# KiCad board SHVC-CPU-01.kicad_pcb (continued)
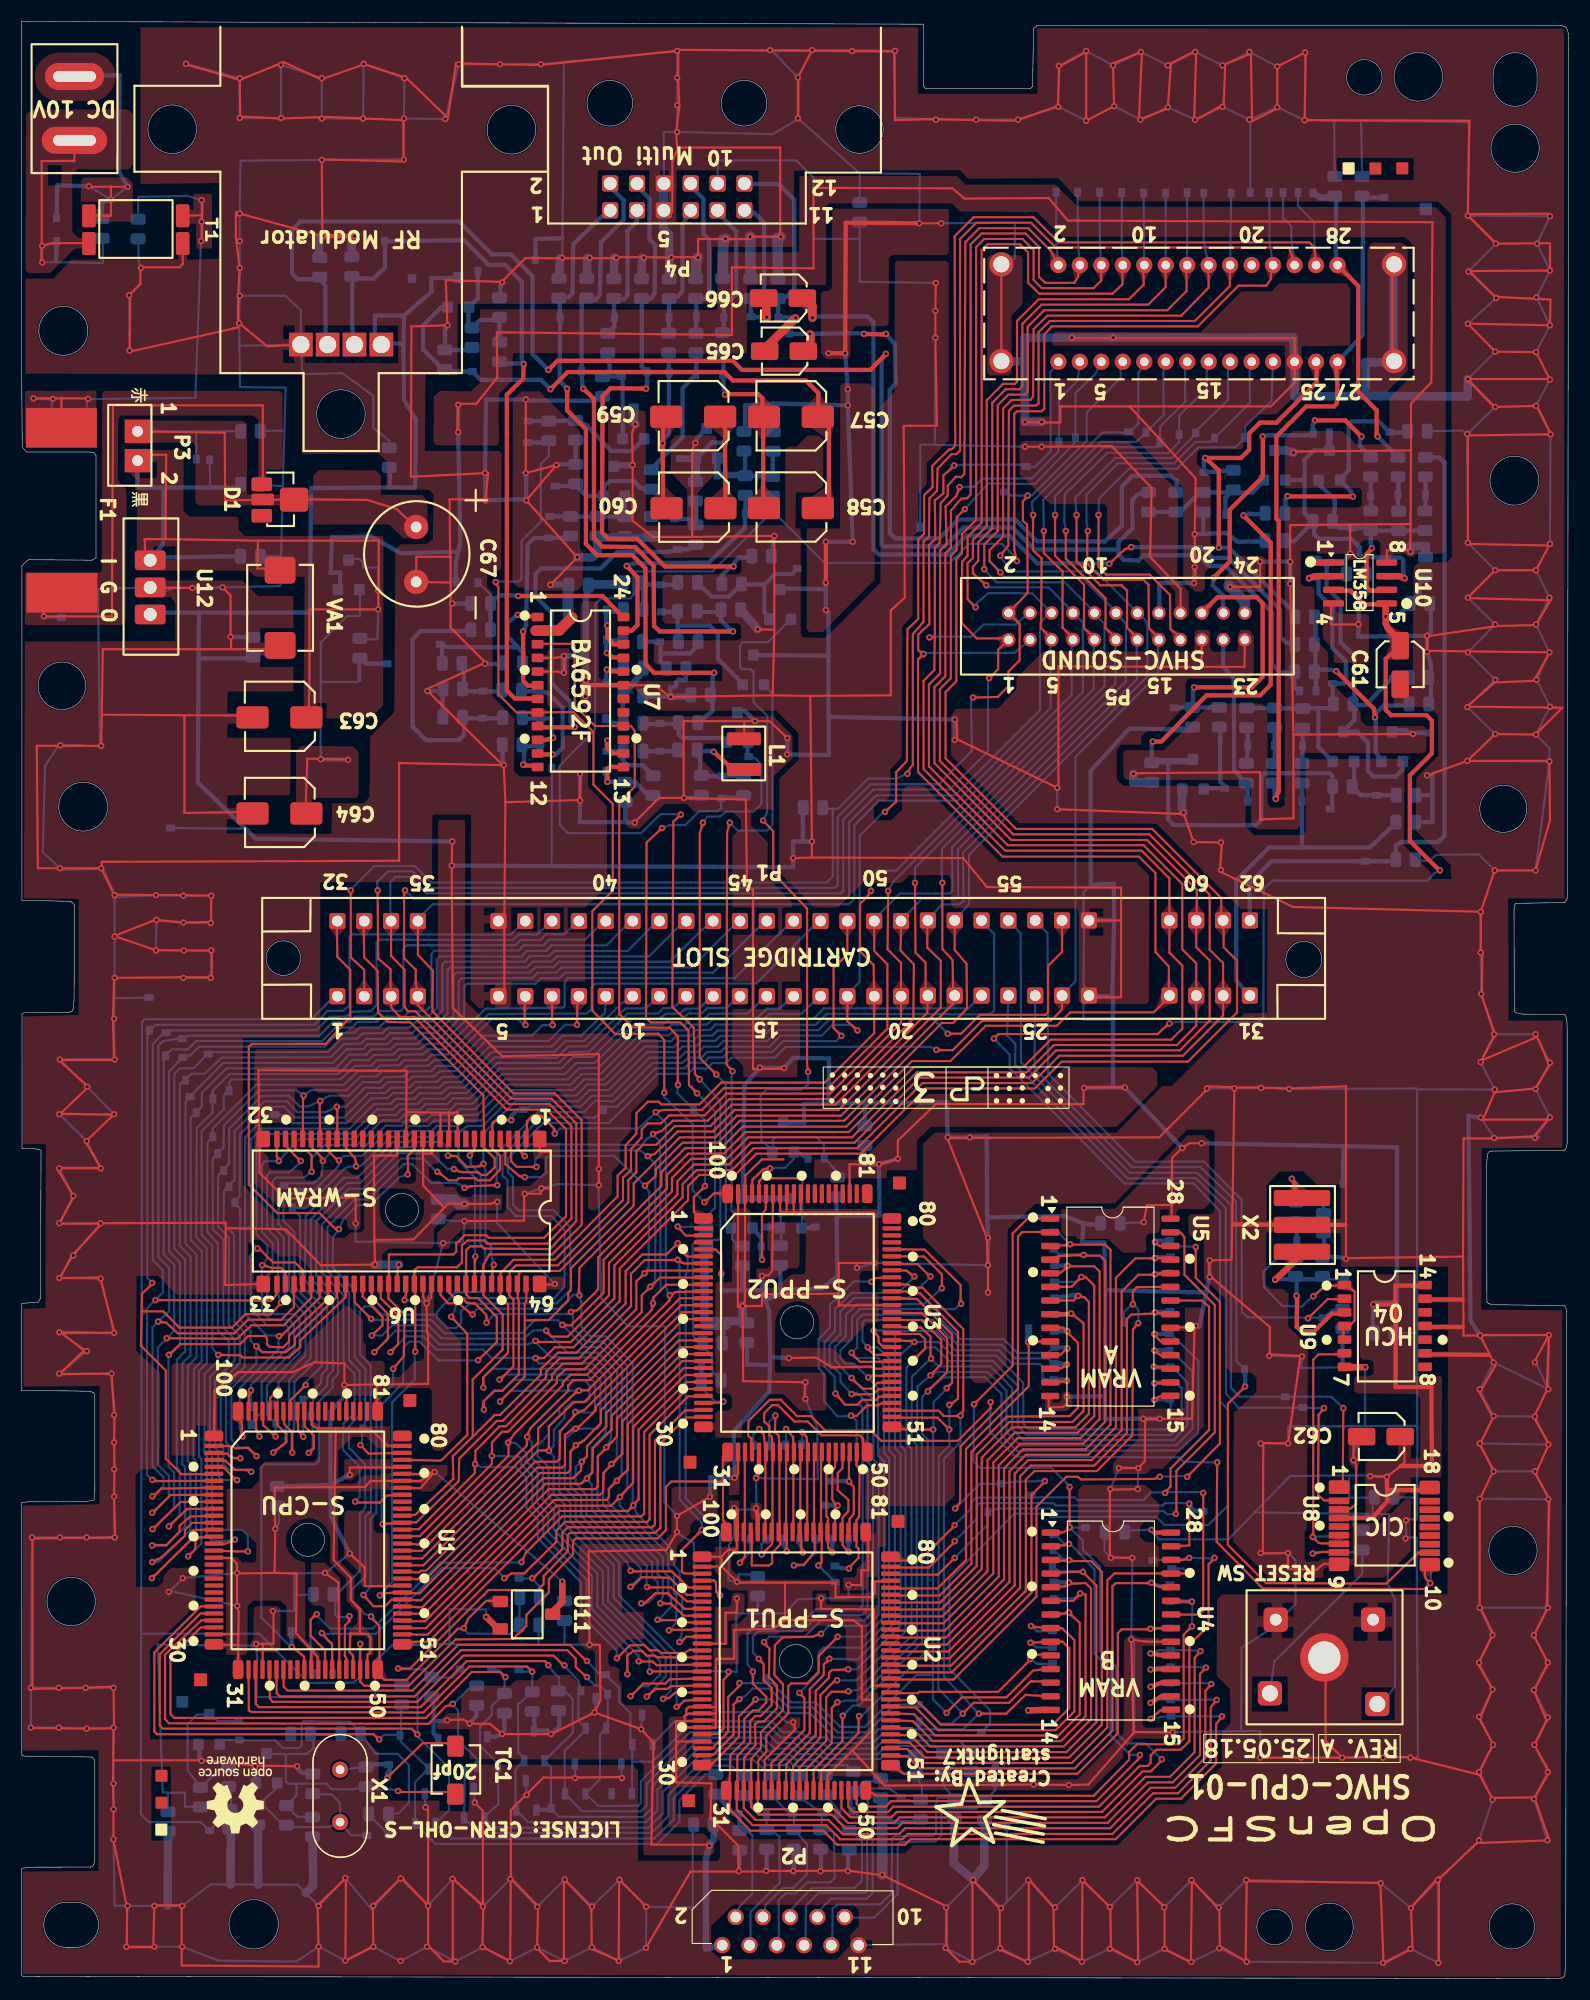
[diagram p0: board, top side]
## Routing (per net, layer and track width the routed paths; a pad name or vN(x,y) marks a point on that pad's centre or on a via; arc(x,y) is an arc through that point) (continued)
RESOUT: length 31.3
  Top w0.2: v1(47.58,37.26) 47.66,37.26 50.38,39.99 50.38,41.52 50.88,42.01 58.75,42.01 59.01,42.27 59.01,50.09 61.82,52.9 63.49,52.9 U3.28
  Bottom w0.2: 46.33,37.21 46.88,37.24 v1(47.58,37.26) 48.4,36.31 48.43,35.41
ROMSEL: length 94.8
  Top w0.2: 40.08,61.56 41.53,60.01 41.53,50.61 39.08,48.21 U1.77 ; v1(76.38,87.76) 75.64,88.5 75.64,94.07 76.93,95.35 P1.49
  Bottom w0.2: v1(76.38,87.76) 75.89,87.27 70.94,87.27 69.91,86.24 65.83,86.24 65.35,85.76 64,85.74 63.58,85.26 62.28,85.26 61.78,84.74 59.04,84.74 55.46,81.16 54.68,81.16 TP249.1 54.17,80.9 53.43,80.16 48.37,80.16 44.8,76.59 44.8,74.79 45.28,74.32 45.28,71.84 46.03,70.99 49.35,70.99 50.6,69.69 50.58,64.41 49.63,63.34 41.1,63.34 40.43,62.59 40.34,62.15 v1(40.03,61.61)
RY.I: length 10.6
  Top w0.4: U7.11 48.38,113.96 49.28,113.96
  Bottom w0.4: C16.1 46.68,119.85 48.19,119.85 TP58.1 49.08,119.66 50.41,118.31 50.41,114.58 49.8,113.96 v1(49.48,113.96)
RY.O: length 14.6
  Top w0.4: v1(46.23,126.96) 46.98,126.81 47.43,126.81
  Bottom w0.4: 39.18,123.24 39.17,123.49 39.15,124.04 ; 46.25,123.93 46.78,123.36 46.78,122.71 ; 46.25,123.93 45.3,124.96 45.28,126.24 v1(46.23,126.96) ; 46.25,123.93 39.55,123.96 TP242.1
SCLK: length 187.5
  Top w0.2: 31.55,28.66 31.55,27.64 31.93,27.26 36.08,27.26 40.43,31.56 45.78,31.61 47.03,32.81 47.03,33.85 49.13,35.95 49.13,37.16 51.38,39.51 51.38,40.72 51.62,40.97 59.25,40.97 60.03,41.74 60.03,45.76 60.54,46.27 65.3,46.27 65.33,46.24 ; 65.33,46.24 65.35,46.23 65.35,42.69 65.43,42.61 65.78,41.56 ; 65.33,46.24 65.33,48.57 U3.31 ; v1(31.56,31.15) 31.55,31.15 U1.48
  Bottom w0.2: 19.4,15.77 TP3.1 16.68,14.56 16.22,14.56 11.85,14.56 11.13,15.29 11.15,32.14 ; 28.29,90.6 28.29,90.6 29.14,91.45 P1.1 ; 28.29,90.6 28.3,90.61 ; 28.29,90.6 27,89.31 11.58,89.31 11.46,89.3 11.3,89.14 11.23,88.96 11.15,32.14 ; 11.15,32.14 11.19,32.1 22.14,32.1 26.73,27.51 30.9,27.54 31.53,28.04 31.5,30.99 ; R6.2 19.53,17.61 19.53,15.91
SL.EXP: length 64.4
  Top w0.4: 122.42,150.46 122.58,148.36 122.53,146.66 122.28,146.36 119.68,146.36 116.89,143.58 116.89,135.9 117.11,135.68 117.11,110.49 117.03,110.41 v1(116.83,109.81)
  Bottom w0.4: P6.27 124.93,153.01 124.95,164.84 124.93,165.96 ; R94.2 125.33,165.81 TP151.1 ; 116.73,111.11 116.73,109.96 v1(116.83,109.81)
SL.IN: length 33.8
  Bottom w0.4: 119.3,109.61 119.3,110.88 ; TP80.1 119.28,105.41 ; 127.93,107.51 125.62,105.3 119.44,105.3 119.38,105.36 ; 119.38,105.36 119.32,105.3 116.21,105.3 113.15,102.24 113.15,92.89 P1.31 ; 119.38,105.36 119.29,105.45
SL.SS: length 15.9
  Bottom w0.4: P5.21 111.93,122.16 112.93,121.01 112.95,112.49 114.08,111.26 ; TP79.1 114.23,110.56 C26.1
SR.EXP: length 28.6
  Top w0.4: v1(126.33,143.56) 126.23,143.66 126.23,146.01 124.52,147.72 124.52,157.58 P6.28
  Bottom w0.4: v1(126.33,143.56) C24.1 ; 122.58,159.41 122.43,160.76 122.45,164.94 122.48,165.61
  Bottom w0.6: TP152.1 120.98,165.81 121.73,165.81 R93.2
SR.IN: length 60.8
  Bottom w0.4: P1.62 114.38,101.96 116.44,104.03 TP73.1 127.89,104.01 ; R95.1 128,105.49 128.5,105.81 131.98,105.81 132.55,106.39 132.55,141.13 132.07,141.62 130.78,141.62 C25.1
SR.SS: length 32.1
  Top w0.4: v1(120.48,145.06) 123.31,145.06 124.81,143.56 v1(124.83,143.56) ; v1(115.63,143.56) 115.63,139.81 112.54,136.73 112.54,131.91 111.08,130.44 v1(111.08,130.41)
  Bottom w0.4: C23.1 124.65,142.74 124.68,143.16 v1(124.83,143.56) ; v1(120.48,145.06) 120.28,144.66 TP82.1 120.15,143.68 116.11,143.68 115.63,143.61 ; P5.22 111.9,128.79 110.95,129.71 v1(111.08,130.41)
TC.1: length 13.7
  Top w0.2: TC1.1 39.58,21.91 37.38,21.91 34.03,18.66
  Bottom w0.2: C2.1 31.33,19.61 X1.2
  Bottom w0.4: 34.08,18.76 34.08,19.11 34.3,19.33 34.3,19.83 TP4.1 34.18,19.95 32.33,19.95 32.1,19.73
  vias: v1(34.08,18.66)
TC.2: length 38.4
  Top w0.2: 35.13,17.36 39.78,17.36 TC1.2
  Bottom w0.2: 31.64,17.63 31.68,17.66 32.1,17.83 ; C2.2 32.23,17.74 32.23,15.44 C4.2 32.25,15.42 ; C2.2 30.93,17.63 28.89,17.63 28.38,18.14 24.84,18.14 24.63,18.35 24.63,20.89 24.53,20.89 ; C2.2 32.25,17.72 ; R3.1 27.02,22.68 29.63,22.68 R4.2 ; TP2.1 34.08,13.61 33.98,13.61 32.33,15.27 32.33,15.31 ; 25.58,18.11 25.63,18.06 25.63,17.05 R1.1 25.7,15.06 27.1,15.06 ; 24.53,20.89 26.6,20.91 27.2,21.46 27.2,22.34 ; 24.53,20.89 22.98,20.91 ; v1(35.08,17.46) 34.4,17.61 33.2,17.61 32.33,17.75
VA.WR: length 59.7
  Top w0.2: v1(86.93,39.16) 85.37,37.6 81.16,37.6 81.08,37.69 ; 107.13,69.47 107.98,69.46 108.33,69.01 108.33,65.52 111.15,62.69 111.15,50.84 107.58,47.26 107.58,43.21
  Bottom w0.2: v1(107.53,43.26) 106.73,43.21 106.43,43.51 96.08,43.51 95.83,43.76 90.88,43.76 TP192.1 90.01,42.82 90,42.26 v1(86.93,39.16)
VAA0: length 33.5
  Top w0.2: 95.43,59.31 v1(93.78,59.26) ; 81.08,36.39 81.15,36.31 85.33,36.31 87.98,38.96 87.98,49.29 93.83,55.14 93.83,59.11
  Bottom w0.6: TP135.1 v1(93.78,59.26)
VAA1: length 41.6
  Top w0.2: 81.08,35.74 81.16,35.66 85.52,35.66 88.48,38.62 88.48,49.02 91.78,52.31 97.63,52.36 98.41,53.14 98.41,59.18 97.53,60.06 97.05,60.59 95.43,60.58
  Bottom w0.4: TP127.1 96.98,60.26 97.53,60.26
  vias: v1(97.43,60.26)
VAA2: length 44.8
  Top w0.2: 97.93,61.81 98.93,61.01 98.93,52.84 97.9,51.81 92.01,51.81 88.98,48.78 88.98,38.41 85.57,35 81.16,35 81.08,35.09
  Top w0.4: 95.43,61.85 95.43,61.85 97.71,61.85 v1(97.78,61.91)
  Bottom w0.4: 97.83,61.91 96.98,61.81 TP126.1
VAA3: length 48.7
  Top w0.2: U5.7 95.83,63.13 97.99,63.13 v1(98.43,63.56) 99.03,63.41 99.43,62.98 99.43,52.57 98.17,51.31 92.27,51.31 89.45,48.5 89.45,38.14 85.67,34.36 81.16,34.36 81.08,34.44
  Bottom w0.4: 98.48,63.61 97.93,63.61 TP125.1
VAA4: length 52.7
  Top w0.2: 81.08,33.79 81.15,33.71 85.78,33.71 89.98,37.91 89.98,48.25 92.54,50.81 98.38,50.81 99.93,52.36 99.93,64.51 99.12,65.31 v1(98.73,65.31) 97.82,64.4 95.43,64.4 95.43,64.39
  Bottom w0.2: TP124.1 98.18,64.86 v1(98.73,65.31)
VAA5: length 53.3
  Top w0.2: U5.5 96.78,65.71 96.93,65.81 97.23,66.06 v1(97.43,66.36) ; 81.08,33.14 81.15,33.07 85.88,33.07 90.53,37.71 90.53,48.05 92.79,50.31 98.65,50.31 100.43,52.09 100.43,65.81 99.93,66.31 97.38,66.31
  Bottom w0.4: TP123.1 97.38,66.36
VAA6: length 58
  Top w0.2: v1(98.93,67.36) 96.68,67.26 95.43,66.93 ; 98.68,67.36 98.73,67.3 100.45,67.3 100.94,66.81 100.94,51.84 98.89,49.79 93.05,49.79 91.03,47.77 91.03,37.41 86.01,32.4 81.16,32.4 81.08,32.49
  Bottom w0.2: TP122.1 96.58,67.46 96.73,67.41 98.93,67.41
VAA7: length 59.2
  Top w0.2: 81.08,31.84 81.17,31.74 86.11,31.74 91.53,37.16 91.53,47.5 93.3,49.27 99.13,49.27 101.44,51.58 101.44,67.83 100.95,68.32 97.57,68.32 97.53,68.36 ; v1(97.68,68.36) 97.18,68.26 95.43,68.2
  Bottom w0.2: TP121.1 96.68,69.36 v1(97.68,68.36)
VAA8: length 56.7
  Top w0.2: 107.03,67.17 105.38,67.01 105.34,67.05 103.76,67.05 101.94,65.23 101.94,51.34 99.37,48.76 93.56,48.76 92.03,47.23 92.03,36.91 86.21,31.09 81.17,31.09 81.08,31.19
  Bottom w0.4: TP133.1 105.68,67.16 105.58,66.96
  vias: v1(105.58,67.06)
VAA9: length 55.6
  Top w0.2: 107.03,65.9 105.53,65.51 104.03,65.51 102.48,63.96 102.48,51.06 99.69,48.27 93.78,48.27 92.52,47 92.52,36.6 86.36,30.44 81.17,30.44 81.08,30.54
  Bottom w0.4: 106.93,65.61 106.03,65.61 v1(105.58,65.56)
VAA10: length 52.5
  Top w0.2: 105.58,61.96 105.5,61.88 104.6,61.88 104.58,61.86 103.38,61.81 102.96,61.4 102.96,50.8 99.92,47.75 94.02,47.75 93.02,46.75 93.02,36.36 86.46,29.8 81.16,29.8 81.08,29.89 ; v1(105.58,62.01) 106.53,61.81
  Bottom w0.4: TP136.1 106.08,62.06 105.63,62.01
VAA11: length 57.3
  Top w0.2: 81.08,29.24 81.19,29.12 86.57,29.12 93.55,36.1 93.55,46.44 94.36,47.24 100.16,47.24 103.48,50.56 103.53,60.41 103.93,60.91 ; 107.13,64.39 103.88,64.36 103.53,63.96 v1(103.53,62.76)
  Bottom w0.2: 102.73,60.96 102.68,61.61 102.68,62.06 103.33,62.66 103.55,62.94 104.05,62.16 v1(104.03,61.01)
VAA12: length 66.6
  Top w0.2: 81.08,28.59 81.17,28.5 86.66,28.5 94.08,35.91 94.08,45.01 95.23,46.16 ; v1(86.98,43.76) 87.43,44.31 87.48,49.56 92.82,54.91 92.82,69.09 93.23,69.5 95.4,69.5 95.43,69.47
  Bottom w0.2: v1(95.33,46.31) 92.58,46.26 TP190.1 89.28,46.07 v1(86.98,43.76)
VAA13: length 69.2
  Top w0.2: 81.08,27.94 81.18,27.84 86.81,27.84 94.53,35.55 94.53,35.56 94.54,35.58 94.54,43.93 97.33,46.71 98.38,46.71 98.73,46.46 105.53,46.51 v1(106.03,46.71) ; 105.58,68.46 106.05,68.19 107.13,68.2 ; v1(108.58,46.71) 111.63,49.81 111.63,62.99 109.38,65.24 v1(109.38,68.11)
  Bottom w0.2: v1(109.38,68.11) 108.53,68.16 107.63,68.16 107.08,68.56 ; v1(106.03,46.71) 108.53,46.79
  Bottom w0.4: 106.9,68.66 TP132.1 105.72,68.71
  vias: v1(105.58,68.56)
VAA14: length 103.6
  Top w0.2: v1(97.64,42.01) 97.63,42.02 v1(97.63,45.76) ; 97.64,41.85 96.93,41.51 95.63,41.51 ; v1(88.73,53.46) 92.33,57.06 92.33,69.36 93.71,70.74 95.43,70.74 ; v1(106.23,20.41) 106.23,20.32 105.19,19.28 104.42,19.28 100.65,15.51 81.53,15.51 81.04,15.01 77.22,15.01 76.38,15.86 76.38,17.16
  Bottom w0.2: TP180.1 99.12,41.97 97.68,41.97 v1(97.64,42.01) 97.64,42 98.88,40.76 98.88,39.91 100.44,38.35 100.44,30.51 101.95,29 101.95,22.91 102.98,21.89 104.7,21.89 106.18,20.41 v1(106.23,20.41) ; 97.6,45.86 95.93,47.54 89.28,47.54 88.68,48.14 v1(88.73,53.46)
VAB0: length 18
  Top w0.2: 81.08,26.64 82.13,26.56 83.5,26.56 83.63,26.68 90.97,26.68 94.03,29.74 94.03,29.81 94.35,30.1 95.38,30.21
  Bottom w0.2: v1(93.98,29.76) 94.6,29.29 95.5,29.29 TP189.1
VAB1: length 29.7
  Top w0.2: 94.08,31.26 95.63,31.35 96.98,31.36 97.6,30.74 97.6,25.17 96.06,23.63 85.64,23.63 83.36,25.91 81.15,25.91 81.08,25.99
  Bottom w0.2: v1(93.98,31.26) 94.5,30.84 95.48,30.81 TP188.1
VAB2: length 32.1
  Top w0.2: 81.08,25.34 81.17,25.25 83.27,25.25 85.4,23.12 96.32,23.12 98.08,24.87 98.08,31.51 96.93,32.61 95.43,32.63 94.08,32.76 93.93,32.76
  Bottom w0.2: TP187.1 94.7,32.33 94.57,32.36 v1(94.02,32.82)
VAB3: length 32.6
  Top w0.2: 81.08,24.69 83.13,24.61 85.11,22.62 96.6,22.62 98.58,24.6 98.58,33.11 97.58,34.01 95.43,33.9
  Bottom w0.2: v1(97.57,34.07) 97.08,33.91 TP186.1
VAB4: length 37.7
  Top w0.2: 81.08,24.04 83.03,23.96 84.88,22.11 96.83,22.11 99.12,24.4 99.12,35.76 98.63,35.81 97.98,35.16 95.43,35.17
  Bottom w0.2: v1(98.63,35.86) 98.08,35.41 TP185.1
VAB5: length 38.4
  Top w0.2: 95.43,36.44 97.22,36.51 97.68,36.76 99.13,36.81 99.63,36.31 99.63,24.14 97.09,21.61 84.64,21.61 82.94,23.31 81.93,23.31 81.08,23.39
  Bottom w0.4: TP184.1 v1(97.58,36.86)
VAB6: length 41.8
  Top w0.2: 81.08,22.74 81.78,22.66 82.8,22.66 84.38,21.08 97.34,21.08 100.13,23.87 100.13,36.58 98.84,37.86 98.08,37.86 95.43,37.71
  Bottom w0.2: v1(98.88,37.86) 98.08,37.92 96.65,37.91 TP183.1
VAB7: length 42.9
  Top w0.2: 95.43,38.98 97.63,38.86 99.63,38.86 100.63,37.86 100.63,23.62 97.58,20.57 84.13,20.57 82.75,21.96 81.88,21.96 81.08,22.09
  Bottom w0.2: v1(97.58,38.96) 96.98,39.11 96.23,39.81
VAB8: length 45.1
  Top w0.2: 107.33,37.7 108.13,37.71 108.73,37.61 ; 107.13,37.71 101.79,37.71 101.14,37.07 101.14,23.38 97.83,20.07 83.82,20.07 82.53,21.36 81.88,21.36 81.08,21.44
  Bottom w0.2: v1(108.78,37.66) 108.23,38.16 TP171.1
VAB9: length 43.4
  Top w0.2: 81.08,20.79 81.93,20.71 82.48,20.71 83.68,19.56 98.1,19.56 101.62,23.08 101.62,36.51 101.93,36.81 105.23,36.81 105.98,36.46 107.13,36.44
  Bottom w0.2: v1(105.25,36.85) 106.08,36.61 TP172.1
VAB10: length 39.2
  Top w0.2: 81.08,19.86 82.18,19.06 98.36,19.06 102.12,22.83 102.12,32.16 102.48,32.51 104.98,32.51 105.83,32.61 107.13,32.63
  Bottom w0.2: TP174.1 v1(105.18,32.56)
VAB11: length 49.2
  Top w0.2: 78.78,17.51 79.63,17.03 99.88,17.01 103.18,20.36 103.18,21.08 103.91,21.82 107.73,21.82 108.25,22.34 108.25,32.02 v1(109.02,32.79) ; 107.13,35.17 108.98,35.06
  Bottom w0.2: v1(109.02,32.79) 109.08,35.09
  Bottom w0.4: v1(109.02,35.09) TP173.1
VAB12: length 56.2
  Top w0.2: v1(104.18,20.81) 104.18,20.56 100.13,16.51 80.98,16.51 80.53,16.01 78.04,16.01 77.8,16.25 77.8,17.51 ; 95.63,40.24 97.43,40.36
  Bottom w0.2: v1(104.18,20.81) 103.28,20.81 101.43,22.66 101.43,28.76 99.95,30.24 99.95,38.09 97.68,40.49 ; v1(97.58,40.46) 97.15,40.46 96.33,41.29 96.33,41.31
VAB13: length 62.2
  Top w0.2: v1(108.78,39.16) 108.03,38.96 107.13,38.98 ; 111.08,39.06 110.58,38.56 110.58,32.86 108.78,31.07 108.78,22.09 107.99,21.3 105.72,21.3 105.18,20.76 105.18,20.06 104.9,19.79 104.15,19.79 100.36,16 81.21,16 80.72,15.5 77.51,15.5 77.03,15.99 U2.48
  Bottom w0.2: 111.28,39.11 v1(108.78,39.16) 108.43,38.96 105.33,38.96
  vias: v1(111.13,39.16)
VB: length 9
  Top w0.4: U7.14 56.07,114.06 55.03,114.06 54.58,114.51 v1(54.58,115.26)
  Bottom w0.4: TP27.1 54.52,115.07 ; R27.2 57.88,112.96 56.48,112.96 55.98,113.46 56.03,114.26 54.51,114.26
VB.WR: length 38.1
  Top w0.2: 107.13,40.25 108.78,40.31 108.78,44.16 ; 86.88,40.61 84.53,38.26 81.15,38.26 81.08,38.34
  Bottom w0.2: v1(108.78,44.21) 108.73,44.26 106.51,44.26 106.29,44.04 96.38,44.04 96.08,44.26 89.28,44.26 89.03,44.04 88.98,42.81 v1(86.93,40.71)
  Bottom w0.4: TP193.1 109.18,43.56 108.98,43.76 v1(108.78,44.21)
VBLANK: length 58.7
  Top w0.2: U3.26 63.48,54.19 62.09,54.19 58.51,50.61 58.51,42.74 58.28,42.51 50.63,42.51 49.83,41.71 49.83,40.66 46.83,37.71 45.63,37.71 v1(44.98,37.26) ; v1(27.98,32.16) 28.53,31.51 28.93,31.16 U1.44
  Bottom w0.2: 28.96,28.24 28.95,28.89 28.95,31.06 v1(27.98,32.16) 28.05,32.09 33.02,32.09 39.14,38.21 44.05,38.21 44.98,37.31
VC: length 8.7
  Top w0.4: U7.13 54.98,112.81 54.58,112.66 v1(54.58,111.41)
  Bottom w0.4: R27.1 58.33,110.16 57.23,111.36 56.23,111.41 54.46,111.41 54.46,112.38 TP26.1
VCLD: length 11.4
  Top w0.2: v1(71.23,51.16) 71.88,50.41 U3.40 71.9,48.96 71.9,41.62 71.95,41.56
  Bottom w0.2: TP113.1 71.23,49.96 v1(71.23,51.16)
VDA0: length 81.3
  Top w0.2: v1(72.46,26.59) 72.93,26.11 72.93,23.13 69.85,20.06 69.85,18.41 70,17.51 ; U3.60 80.23,57.41 78.13,57.41 77.33,58.16 ; 95.43,58.04 96.78,58.06 97.28,58.56
  Bottom w0.2: v1(72.46,26.59) 74.23,28.39 74.28,30.36 74.73,30.81 78.32,30.81 80.83,33.32 80.83,48.44 80.35,48.89 80.33,56.99 79.8,57.79 77.68,57.76 77.33,58.21 77.85,58.73 77.85,61.33 78.32,61.81 85.17,61.81 87.45,59.53 91.48,59.53 92.77,58.24 95.61,58.24 95.75,58.39 96.18,58.76
  Bottom w0.4: 97.51,58.59 97.33,58.76 TP128.1
  vias: v1(77.33,58.26) v1(97.43,58.66)
VDA1: length 76.1
  Top w0.2: 95.43,56.77 96.83,56.81 97.28,57.06 ; 70.65,17.51 70.58,18.51 70.58,20.01 73.43,22.86 73.43,26.95 74.73,28.25 74.73,29.26 75.18,29.61 ; 78.93,58.56 79.43,58.06 80.08,58.06 81.08,58.14
  Bottom w0.2: v1(75.25,29.77) 77.93,29.71 81.35,33.16 81.35,48.61 80.83,49.14 80.83,57.74 79.73,58.76 78.78,58.74 78.33,59.34 78.35,61.09 78.58,61.29 84.88,61.31 87.18,59 91.29,59 92.56,57.74 95.61,57.74 95.94,57.41 95.98,57.41
  Bottom w0.4: 97.33,57.16 96.83,57.26 TP129.1
  vias: v1(78.83,58.76) v1(97.38,57.16)
VDA2: length 73.6
  Top w0.2: 79.48,60.21 v1(79.38,60.31) 79.83,59.71 79.83,59.41 79.88,59.19 80.28,58.79 U3.62 ; v1(77.01,28.78) 75.51,28.72 75.35,28.61 75.23,28.42 75.23,28.01 73.98,26.76 73.98,22.67 71.23,19.92 71.23,18.31 71.3,17.51 ; 95.43,55.5 97.33,55.56
  Bottom w0.2: 81.4,60.31 81.37,60.28 81.37,49.36 81.89,48.84 81.89,32.88 77.8,28.78 v1(77.01,28.78) ; 81.4,60.31 85.2,60.26 86.97,58.49 91.02,58.49 92.28,57.24 94.83,57.21 95.13,56.96 95.1,55.91 95.48,55.79 95.83,55.71 ; 81.4,60.31 79.3,60.36
  Bottom w0.4: v1(97.38,55.66) 96.93,55.76 TP130.1
VDA3: length 84.9
  Top w0.2: 82.93,59.36 82.28,59.36 U3.63 ; 75.98,27.81 75.85,27.81 74.43,26.39 74.43,22.41 71.88,19.76 71.83,18.51 71.95,17.51 ; 107.13,54.26 105.93,54.16 v1(105.53,53.86)
  Bottom w0.2: v1(75.98,27.76) 77.81,27.76 82.35,32.31 82.35,49.15 81.88,49.62 81.88,58.09 83.13,59.21 83.88,59.29 85.45,59.24 86.7,58.01 90.8,57.99 93.3,55.49 93.33,51.66 93.78,51.14 106.55,51.11 107.05,51.59 107.05,53.39 107.06,53.87
  Bottom w0.4: TP141.1 105.53,53.91
  vias: v1(83.18,59.26)
VDA4: length 90.1
  Top w0.2: U3.64 82.28,60.01 83.68,60.01 84.18,59.51 84.18,58.66 83.33,57.81 ; 76.88,26.66 76.84,26.7 75.47,26.7 74.95,26.18 74.95,22.13 72.48,19.65 72.48,18.41 72.6,17.51 ; v1(105.53,55.41) 107.13,55.5
  Bottom w0.2: 107.38,55.66 107.65,55.36 108.08,54.91 108.08,51.69 107.03,50.61 93.55,50.64 92.8,51.44 92.83,55.16 90.45,57.51 86.43,57.49 85.13,58.76 84.28,58.74 83.3,57.74 82.43,56.86 82.43,49.8 82.9,49.32 82.9,31.89 77.95,26.89 v1(77.03,26.73)
  Bottom w0.4: TP140.1 105.58,55.46
  vias: v1(83.23,57.71)
VDA5: length 91.2
  Top w0.2: U3.65 82.38,60.61 83.78,60.61 84.68,59.76 84.68,57.66 ; v1(76.01,25.73) 75.48,25.2 75.48,21.91 73.13,19.51 73.13,18.41 73.25,17.51 ; v1(105.48,56.96) 107.13,56.77
  Bottom w0.2: 107.23,56.86 107.53,56.59 108.6,55.49 108.6,51.54 107.35,50.14 93.33,50.11 92.28,51.16 92.28,54.98 90.26,56.99 85.45,56.99 84.65,57.69 82.95,56.04 82.9,50.19 83.38,49.69 83.4,31.59 77.73,25.86 76.88,25.89 v1(76.01,25.73)
  Bottom w0.4: 105.48,56.91 105.98,56.91 106.72,56.96 TP139.1
  vias: v1(84.73,57.71)
VDA6: length 94.1
  Top w0.2: 107.13,58.04 106.13,58.01 v1(105.53,58.46) ; U3.66 81.15,61.31 83.83,61.31 85.68,59.46 85.68,57.21 v1(84.68,56.16) ; 76.48,24.36 76.48,22.13 73.78,19.43 73.78,18.51 73.9,17.51
  Bottom w0.2: 107.23,58.31 107.55,58.01 109.08,56.54 109.1,51.19 107.55,49.64 93.05,49.61 91.75,50.86 91.75,54.72 90.01,56.46 85.28,56.46 84.63,56.11 83.45,55.11 83.4,50.44 83.88,49.84 83.88,31.31 78.03,25.44 77.43,25.41 v1(76.49,24.47)
  Bottom w0.4: TP138.1 106.72,58.5 v1(105.53,58.46)
VDA7: length 98.5
  Top w0.2: 77.98,24.16 77.98,22.87 74.48,19.37 74.48,18.51 74.55,17.51 ; U3.67 81.98,61.96 83.88,61.96 86.23,59.61 86.23,56.46 84.43,54.71 ; 107.13,59.31 106.13,59.31 105.53,59.92 v1(105.53,60.01)
  Bottom w0.2: 106.98,60.06 107.43,59.64 109.63,57.51 109.6,50.79 107.8,49.16 92.75,49.11 91.29,50.58 91.29,54.43 89.73,55.99 85.88,55.96 84.45,54.76 83.9,54.14 83.9,50.69 84.41,50.18 84.41,30.58 78.26,24.43 v1(78.02,24.43)
  Bottom w0.4: TP137.1 106.23,60.01 v1(105.53,60.01)
  vias: v1(84.43,54.66)
VDB2: length 91.9
  Top w0.2: U3.53 82.33,52.86 85.43,52.86 85.93,52.36 87.48,52.36 87.73,52.87 87.73,60.46 83.93,64.31 82.98,64.31 82.58,64.61 81.28,64.61 ; 95.43,26.28 93.53,26.41 91.73,24.66 v1(89.18,24.66) ; 63.53,19.86 64.38,20.01 66.83,22.51 66.83,24.39 68.38,25.95 v1(68.38,25.98)
  Bottom w0.2: 83.58,23.2 79.81,23.2 79.04,22.43 75.74,22.43 73.46,24.71 71.17,24.71 69.9,25.98 v1(68.38,25.98) ; 83.58,23.2 87.71,23.2 v1(89.18,24.66) 85.93,28.11 85.93,48.39 87.48,49.96 87.46,51.71 87.48,52.36 ; 83.58,23.2 TP240.1
  vias: v1(87.48,52.41)
VID: length 71
  Top w0.4: v1(46.78,150.31) 46.73,148.96 45.21,147.45 45.21,119.91 45.96,119.16 47.33,119.16 U7.7
  Bottom w0.4: 33.88,161.16 33.88,161.51 33.83,161.86 ; 33.88,161.14 33.86,161.12 33.86,159.31 32.83,158.28 30.93,158.28 30.77,158.43 30.8,157.54 30.81,157.53 30.81,153.69 P7.3 ; TP54.1 41.22,161.84 43.52,159.54 45.03,159.54 46.6,157.97 46.6,150.84 v1(46.78,150.31) 46.72,150.37 44.7,150.37 R30.2
VRD: length 69.3
  Top w0.2: 107.13,63.12 109.93,63.11 110.62,62.56 110.62,51.08 107.03,47.48 107.03,45.8 106.61,45.38 ; 86.98,42.36 86.98,42.22 83.67,38.91 81.78,38.91 81.08,39.26 ; 107.13,33.9 107.15,33.88 109.68,33.88 110.08,34.28 v1(110.08,45.21)
  Bottom w0.2: v1(110.08,45.21) 110,45.29 106.68,45.29 106.63,45.24 105.2,45.26 104.5,44.54 98.37,44.54 98.12,44.79 94.25,44.79 TP191.1 93.79,44.77 88.9,44.77 88.48,44.34 88.43,43.74 v1(86.93,42.21)
  vias: v1(106.53,45.21)
WRAM: length 81.6
  Top w0.2: P1.32 29.38,97.66 29.43,95.11 30.63,93.91 30.63,89.51 28.33,87.01 21.48,87.01 21.18,86.76 21.18,73.91 23.83,71.26 27.77,71.26 29.27,69.76 v1(29.58,69.76) ; U1.78 32.33,48.86 v1(31.58,49.66) ; 36.61,78.41 36.63,77.26 35.98,76.56 36.03,74.71
  Bottom w0.2: 29.7,69.89 v1(29.58,69.76) ; v1(29.58,69.76) 29.98,70.66 31.3,72.01 32.5,72.01 35.23,74.61 v1(35.98,74.86) ; v1(29.58,69.76) 29.03,69.01 28.98,66.21 31.03,64.11 31.03,57.84 32.05,56.71 32.03,51.89 TP251.1 31.73,50.51 31.73,50.11 v1(31.58,49.66)
Y: length 11.2
  Bottom w0.4: TP21.1 60.33,156.36 ; 60.3,153.71 60.3,154.19 ; 60.58,156.41 61.15,156.61 61.5,157.04 61.57,157.15 61.58,163.26 P4.7
YI: length 35.1
  Top w0.4: U7.9 48.33,116.51 48.35,116.49 51.4,116.49 51.48,116.56
  Bottom w0.4: 62.83,133.46 62.18,133.06 TP38.1 60.28,132.82 55.49,132.82 53.96,131.28 48.4,131.28 47.88,130.76 47.88,128.69 49.37,127.19 49.37,120.61 51.15,118.83 51.15,117.01 v1(51.53,116.51)
YO: length 23
  Top w0.4: v1(56.38,131.51) 57.38,130.46 57.38,126.01 56.85,125.49 55.92,125.49
  Bottom w0.4: R38.2 TP250.1 67.38,135.04 64,131.81 57.08,131.76 v1(56.38,131.51)
Net-(C6-Pad1): length 7.6
  Bottom w0.4: R11.2 56.01,119.38 56.01,117.39 55.98,117.36 R10.2 55.08,116.86 TP30.1
  Bottom w0.6: R11.2 57.68,121.46 C6.1
Net-(C7-Pad1): length 8.3
  Bottom w0.4: TP36.1 57.88,124.46 ; 59.53,123.31 59.58,123.37 ; 59.53,123.31 59.53,124.34 ; 59.53,123.31 59.53,122.61 R16.2 ; 59.58,123.36 62.28,123.36 ; 62.28,123.37 63.01,124.1 R15.1
Net-(C8-Pad1): length 5.9
  Bottom w0.4: R20.2 60.73,129.76 TP34.1 58.61,129.76 R21.1 57.9,129.89 57.9,127.48 C8.1
Net-(C9-Pad1): length 3.2
  Bottom w0.4: 57.93,114.26 TP28.1 61.15,114.27
Net-(C13-Pad1): length 24.3
  Bottom w0.4: 44.8,117.39 44.73,117.32 42.98,117.32 TP56.1 42.9,117.32 41.16,117.32 41.15,117.33 ; 41.86,125.43 41.88,125.41 ; 41.78,125.51 41.72,125.46 37.2,125.46 36.43,124.69 36.43,116.56 37.7,115.29 40.72,115.29 41.23,115.79 41.23,116.97
Net-(C15-Pad1): length 5.5
  Bottom w0.4: 41.1,121.81 41.2,121.71 41.2,119.98 41.36,119.83 42.94,119.83 TP57.1 43.01,119.83 44.58,119.83 44.71,119.96
Net-(C18-Pad1): length 5.7
  Bottom w0.4: 62.75,135.49 62.1,135.89 61.48,135.89 TP39.1 60.33,136.11 59.68,136.11 ; 62.85,135.89 62.85,136.56 62.86,137.47 ; 59.58,136.1 R41.1
Net-(C20-Pad1): length 12.1
  Bottom w0.4: R46.2 62.85,150.46 62.85,149.79 ; C20.1 59.38,141.29 61.58,143.49 61.58,148.04 TP48.1
Net-(C23-Pad2): length 2.8
  Bottom w0.4: C23.2 TP94.1 125.68,137.04
Net-(C24-Pad2): length 1.9
  Bottom w0.4: 128.23,137.09 128.23,137.64 ; C24.2 128.25,138.94 128.25,138.49
Net-(C25-Pad2): length 3.2
  Bottom w0.4: R55.2 130.78,136.69 130.78,138.11 TP93.1 C25.2
Net-(C26-Pad2): length 2.3
  Bottom w0.4: TP78.1 114.22,116.16 ; 114.2,114.36 114.18,113.94 114.17,113.38
Net-(C27-Pad2): length 2.6
  Bottom w0.4: 116.75,114.34 116.75,113.96 116.74,113.36 ; TP77.1 R61.1
Net-(C28-Pad2): length 2.9
  Bottom w0.4: TP76.1 R62.1 ; 119.28,113.07 119.33,113.12 119.33,114.31
Net-(C35-Pad1): length 14.4
  Bottom w0.2: 66.9,13.82 67.59,13.82 68.07,13.33 68.07,7.89 66.85,6.66 66.48,5.83
  Bottom w0.4: R83.2 66.33,15.34 TP6.1 66.9,14.61 66.9,13.82 67.4,13.74
Net-(C36-Pad1): length 16.9
  Bottom w0.2: R84.2 68.88,15.26 TP5.1 69.41,13.9 69.93,13.74 70.6,13.21 70.63,8.91 67.9,6.19 67.9,4.07 P2.3
Net-(C37-Pad1): length 15.1
  Bottom w0.2: 69.03,5.66 69.33,6.86 70.93,8.44 71.9,8.44 73.15,9.69 73.18,12.49 71.92,13.9 71.98,15.04 TP7.1 71.53,15.31 R85.2
Net-(C38-Pad1): length 20.1
  Bottom w0.2: R86.2 TP8.1 74.53,14.29 74.44,13.9 74.88,13.79 75.4,13.76 75.68,13.54 75.75,9.34 75.35,8.96 73.2,8.94 72.1,7.91 71.18,7.94 70.53,7.29 70.55,3.95 70.35,3.09
Net-(C39-Pad1): length 18.5
  Bottom w0.2: 77.1,13.82 78.2,12.86 78.3,12.79 78.28,9.11 77.6,8.44 73.65,8.44 71.83,6.58 71.63,5.76 ; R87.2 76.03,15.76 TP9.1 76.03,14.71 C39.1 ; P2.6 71.78,6.36
Net-(C40-Pad1): length 23.3
  Bottom w0.2: R88.2 77.3,17.25 77.3,15.49 77.58,15.49 78.78,14.34 78.78,8.31 78.73,8.11 78.55,7.96 74.23,7.96 73.08,6.79 73.03,3.14 72.9,3.01 ; 80.01,18.68 79.53,18.36 78.58,18.36 77.43,17.31
Net-(C41-Pad1): length 23.8
  Bottom w0.2: 81.73,17.01 81.45,17.26 81.05,17.54 80.88,17.71 79,17.71 78.89,17.6 78.85,17.6 78.85,17.6 78.85,16.61 78.78,15.11 79.28,14.49 79.28,7.96 78.78,7.44 75.42,7.44 74.14,6.16 P2.8 ; R89.2 83.88,17.86 83.88,16.91 C41.1 ; 83.75,16.69 83.25,16.36 82.73,16.61 82.45,16.61 TP208.1
Net-(C42-Pad1): length 31.7
  Bottom w0.2: 75.53,3.24 75.55,6.51 75.98,6.89 80,6.91 81.05,7.94 81.1,13.06 81.38,13.24 84.93,13.29 85.2,13.56 85.2,16.59 85.33,16.79 85.53,16.81 86.4,16.81 86.9,16.76 ; C42.1 85.88,17.96 R90.2 86.07,19.06 87.13,20.11 90.45,20.11 TP209.1
Net-(C43-Pad1): length 26.1
  Bottom w0.2: C43.1 89.74,16.57 90.72,17.56 TP210.1 90.63,18.34 89.4,18.34 88.45,19.3 ; 89.7,16.61 88.93,15.81 86.03,15.84 85.7,15.51 85.7,13.36 85.13,12.76 81.9,12.71 81.63,12.54 81.6,7.84 79.43,5.66 76.9,5.66
Net-(Q1-B): length 19.3
  Bottom w0.2: 22.49,15.99 R2.1 22.54,16.13 24.39,14.28 R1.2 25.08,14.09 28.63,14.11 X1.1 ; 22.25,16.31 23.7,17.66 23.76,18.21 ; X1.1 29.7,15.06 29.68,16.34 28.9,17.14 27.13,17.18 ; X1.1 30.73,13.34 TP1.1
Net-(Q2-B): length 28
  Bottom w0.2: 18.41,21.85 18.93,22.21 TP215.1 20.83,22.16 23.63,22.16 24.33,21.46 25.88,21.46 26.1,21.69 26.1,23.79 26.28,23.96 30.63,23.91 R4.1 32.95,20.96 33.13,20.91 35.05,20.91 36.08,19.89 36.1,16.46 36.03,16.29 35.13,15.39 34.23,15.31
Net-(Q2-C): length 15
  Bottom w0.2: 16.63,17.76 18.73,19.66 R6.1 ; R5.1 15.48,19.41 15.48,23.66 16.33,24.56 17.43,24.61 18.28,23.96 TP214.1
Net-(Q4-C): length 9
  Bottom w0.4: R8.2 61.23,115.81 61.55,115.49 65.2,115.49 ; 57.87,116.91 57.98,116.8 59.44,116.8 TP29.1 59.54,116.81 60.78,116.81 60.88,116.91 ; 65.2,115.49 Q4.1 ; 65.2,115.49 65.23,115.51